# KiCad board LightRail_LPO_1.6T.kicad_pcb (continued)
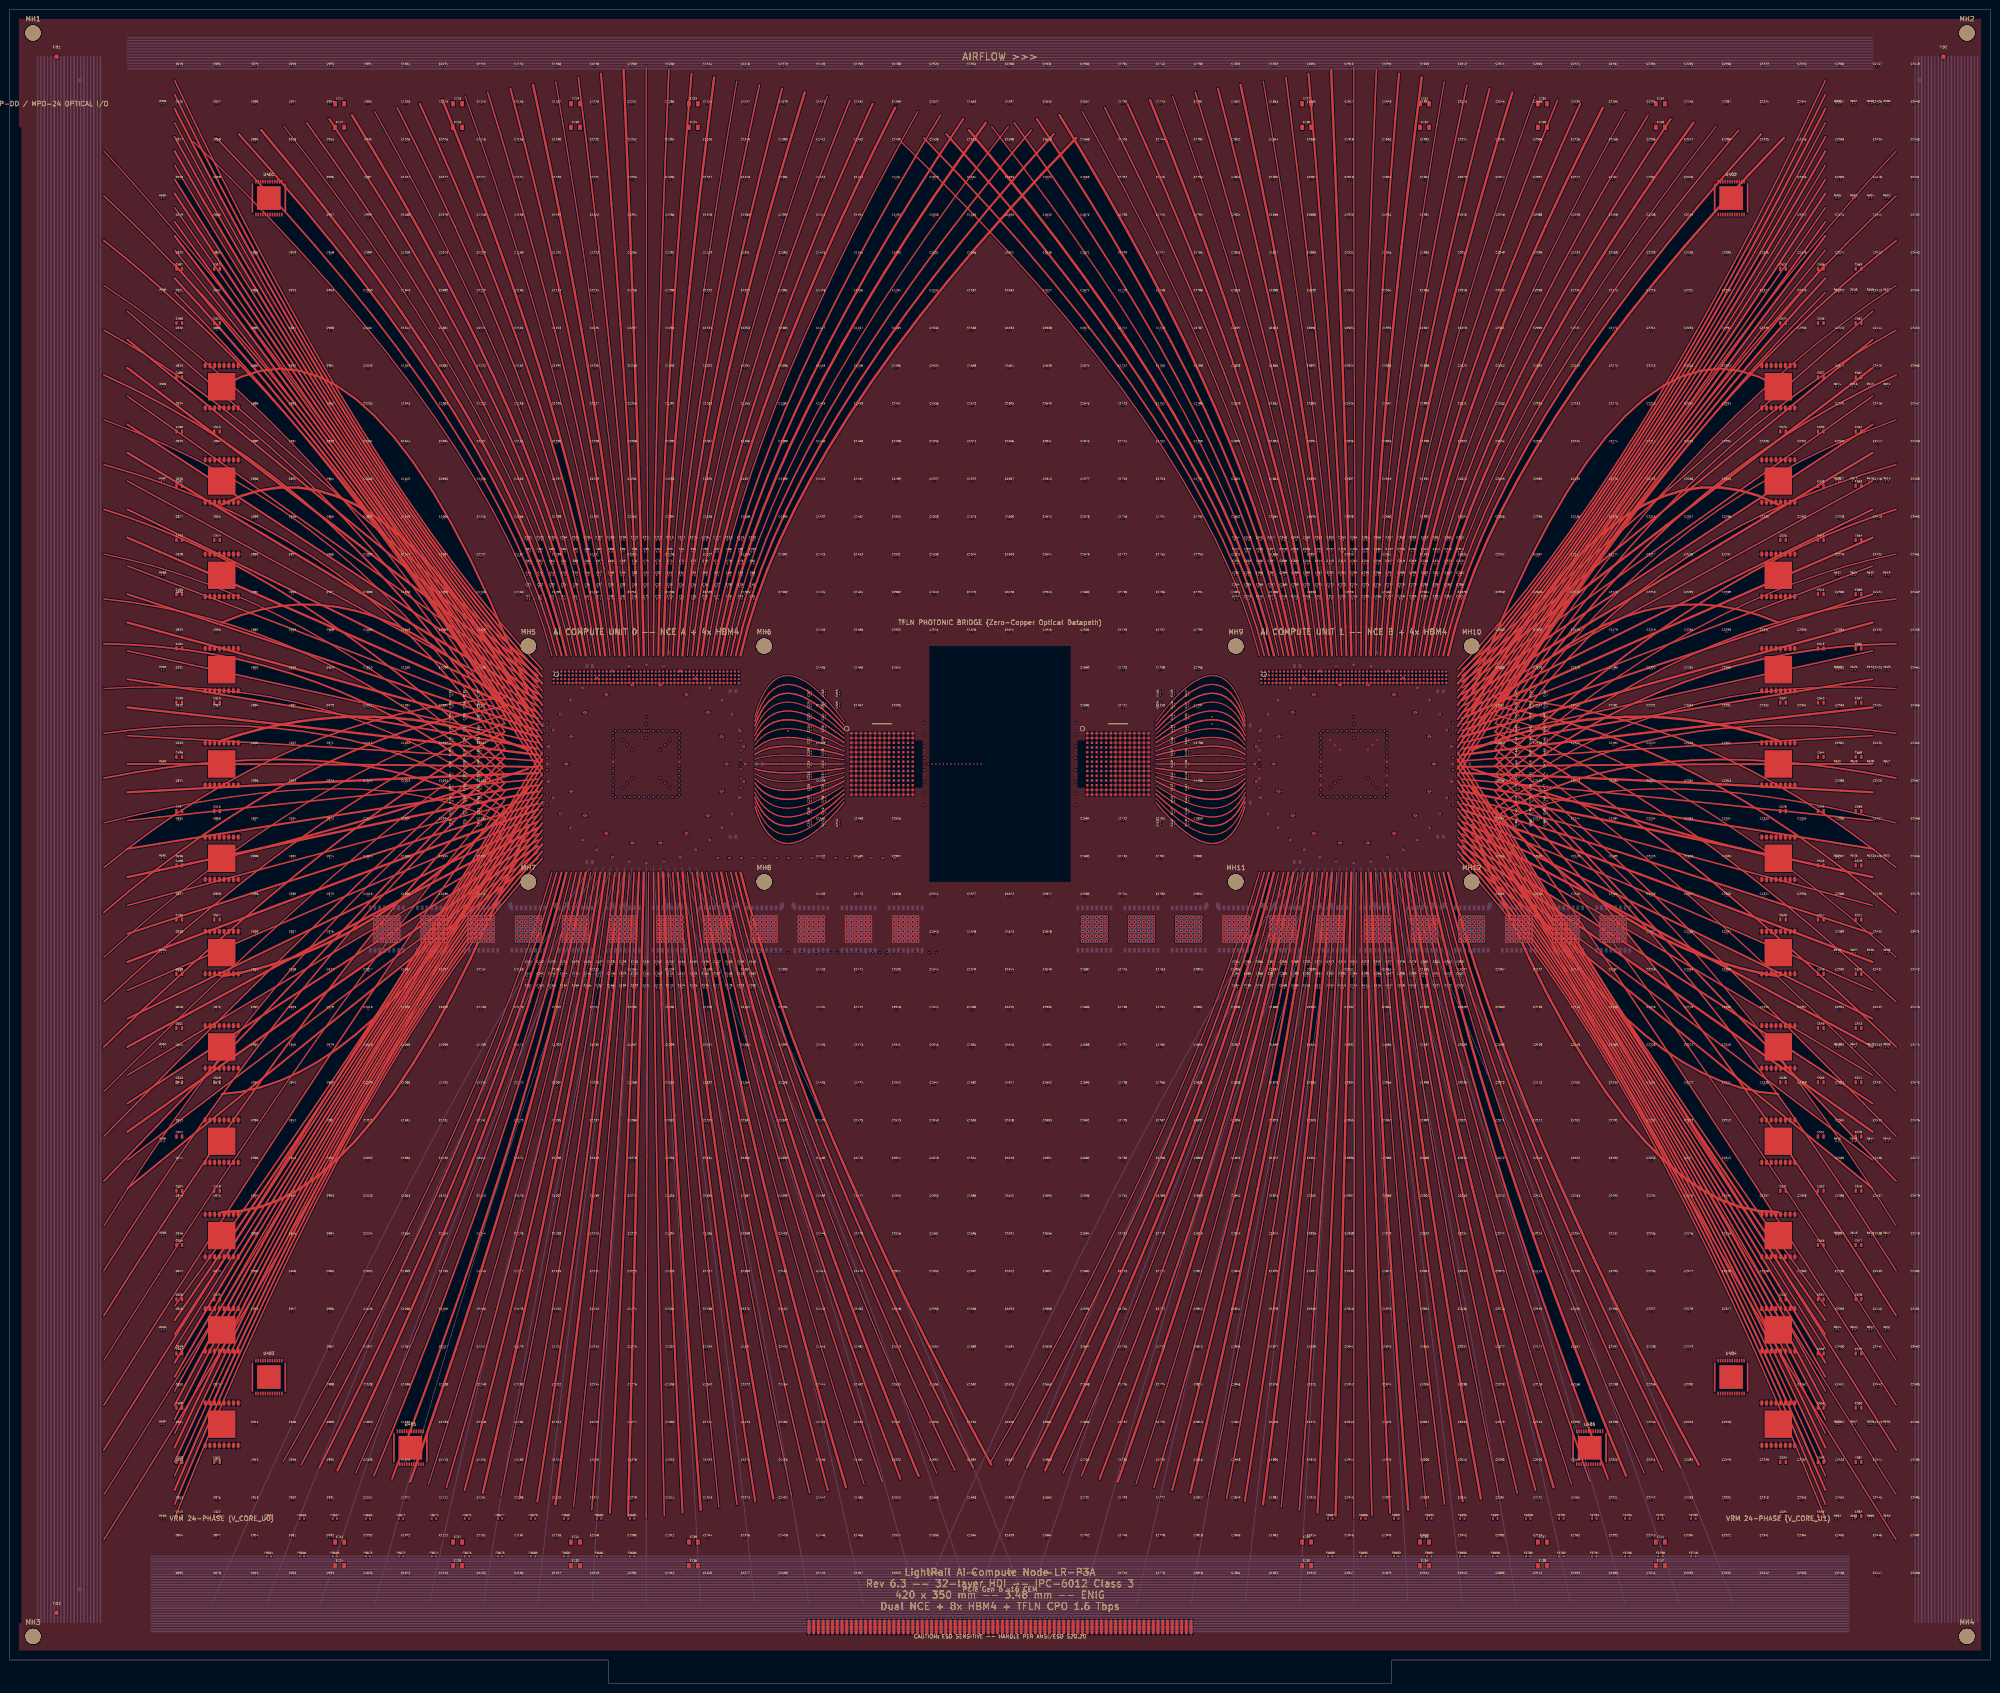
[diagram p0: board, top side]
## Nets (continued)

## Via types
v1: diameter 0.4, hole 0.2, Top to Bottom, 112 vias
v2: diameter 0.35, hole 0.15, Top to Bottom, 216 vias
v3: diameter 0.3, hole 0.15, Top to Bottom, 80 vias
v4: diameter 0.8, hole 0.4, Top to Bottom, 864 vias
v5: diameter 0.6, hole 0.3, Top to Bottom, 108 vias

## Routing (per net, layer and track width the routed paths; a pad name or vN(x,y) marks a point on that pad's centre or on a via; arc(x,y) is an arc through that point)
+12V: length 60
  In11.Cu w2: 15,25 45,25 ; 405,25 375,25
GND: length 4647.7
  In3.Cu w0.09: 244,198 v2(265,198) ; 244,197.82 v2(265,197.82) ; 244,191.82 v2(265,191.82) ; 244,192 v2(265,192)
  In3.Cu w0.1: 146.6,198 146.6,195.5 v2(142,195.5) ; 123.4,198 123.4,195.5 v2(128,195.5) ; v2(292,195.5) 296.6,195.5 296.6,198 ; 273.4,198 273.4,195.5 v2(278,195.5)
  In4.Cu w0.1: v2(278,192.5) 274.2,192.5 274.2,189 ; 272.6,183 272.6,190.5 v2(278,190.5) ; v2(292,190.5) 297.4,190.5 297.4,183 ; 295.8,189 295.8,192.5 v2(292,192.5)
  In5.Cu w0.1: v2(290,200) 294,204 ; v2(280,200) 276,204
  In6.Cu w0.1: v2(289,199) 295,205 ; v2(281,199) 275,205
  In7.Cu w0.1: 194,202.9 114,202.9 ; 194,186.75 114,186.75 ; 194,195.4 114,195.4 ; v2(282,198) 274,206 ; 194,196.75 114,196.75 ; 194,194.25 114,194.25 ; 194,200.4 114,200.4 ; 194,187.9 114,187.9 ; 194,185.4 114,185.4 ; 194,189.25 114,189.25 ; 194,199.25 114,199.25 ; v2(288,198) 296,206 ; 194,201.75 114,201.75 ; 194,191.75 114,191.75 ; 194,204.25 114,204.25 ; 194,192.9 114,192.9 ; 194,197.9 114,197.9 ; 194,190.4 114,190.4
  In24.Cu w0.1: 226,195.4 306,195.4 ; 226,191.75 306,191.75 ; 226,199.25 306,199.25 ; 226,192.9 306,192.9 ; 226,194.25 306,194.25 ; 226,187.9 306,187.9 ; 226,185.4 306,185.4 ; 226,189.25 306,189.25 ; 226,186.75 306,186.75 ; 226,202.9 306,202.9 ; 226,201.75 306,201.75 ; 226,196.75 306,196.75 ; 226,190.4 306,190.4 ; 226,200.4 306,200.4 ; 226,204.25 306,204.25 ; 226,197.9 306,197.9
  In28.Cu w0.09: 244,198 v2(265,198) ; 244,191.82 v2(265,191.82) ; 244,197.82 v2(265,197.82) ; 244,192 v2(265,192)
  Bottom w0.25: 30,12.15 390,12.15
  Bottom w0.3: 30,13.25 390,13.25 ; 30,11.6 390,11.6
  Bottom w0.35: 30,11.05 390,11.05 ; 30,12.7 390,12.7
  vias: v3(166.5,155) v3(169.5,155) v3(181.5,155) v3(190.5,155) v3(193.5,155) v4(77.5,162.5) v4(77.5,161.5) v4(77.5,160.5) v4(77.5,159.5) v4(77.5,158.5) v4(77.5,157.5) v4(78.5,162.5) v4(78.5,161.5) v4(78.5,160.5) v4(78.5,159.5) v4(78.5,158.5) v4(78.5,157.5) v4(79.5,162.5) v4(79.5,161.5) v4(79.5,160.5) v4(79.5,159.5) v4(79.5,158.5) v4(79.5,157.5) v4(80.5,162.5) v4(80.5,161.5) v4(80.5,160.5) v4(80.5,159.5) v4(80.5,158.5) v4(80.5,157.5) v4(81.5,162.5) v4(81.5,161.5) v4(81.5,160.5) v4(81.5,159.5) v4(81.5,158.5) v4(81.5,157.5) v4(82.5,162.5) v4(82.5,161.5) v4(82.5,160.5) v4(82.5,159.5) v4(82.5,158.5) v4(82.5,157.5) v4(87.5,162.5) v4(87.5,161.5) v4(87.5,160.5) v4(87.5,159.5) v4(87.5,158.5) v4(87.5,157.5) v4(88.5,162.5) v4(88.5,161.5) v4(88.5,160.5) v4(88.5,159.5) v4(88.5,158.5) v4(88.5,157.5) v4(89.5,162.5) v4(89.5,161.5) v4(89.5,160.5) v4(89.5,159.5) v4(89.5,158.5) v4(89.5,157.5) v4(90.5,162.5) v4(90.5,161.5) v4(90.5,160.5) v4(90.5,159.5) v4(90.5,158.5) v4(90.5,157.5) v4(91.5,162.5) v4(91.5,161.5) v4(91.5,160.5) v4(91.5,159.5) v4(91.5,158.5) v4(91.5,157.5) v4(92.5,162.5) v4(92.5,161.5) v4(92.5,160.5) v4(92.5,159.5) v4(92.5,158.5) v4(92.5,157.5) v4(97.5,162.5) v4(97.5,161.5) v4(97.5,160.5) v4(97.5,159.5) v4(97.5,158.5) v4(97.5,157.5) v4(98.5,162.5) v4(98.5,161.5) v4(98.5,160.5) v4(98.5,159.5) v4(98.5,158.5) v4(98.5,157.5) v4(99.5,162.5) v4(99.5,161.5) v4(99.5,160.5) v4(99.5,159.5) v4(99.5,158.5) v4(99.5,157.5) v4(100.5,162.5) v4(100.5,161.5) v4(100.5,160.5) v4(100.5,159.5) v4(100.5,158.5) v4(100.5,157.5) v4(101.5,162.5) v4(101.5,161.5) v4(101.5,160.5) v4(101.5,159.5) v4(101.5,158.5) v4(101.5,157.5) v4(102.5,162.5) v4(102.5,161.5) v4(102.5,160.5) v4(102.5,159.5) v4(102.5,158.5) v4(102.5,157.5) v4(117.5,162.5) v4(117.5,161.5) v4(117.5,160.5) v4(117.5,159.5) v4(117.5,158.5) v4(117.5,157.5) v4(118.5,162.5) v4(118.5,161.5) v4(118.5,160.5) v4(118.5,159.5) v4(118.5,158.5) v4(118.5,157.5) v4(119.5,162.5) v4(119.5,161.5) v4(119.5,160.5) v4(119.5,159.5) v4(119.5,158.5) v4(119.5,157.5) v4(120.5,162.5) v4(120.5,161.5) v4(120.5,160.5) v4(120.5,159.5) v4(120.5,158.5) v4(120.5,157.5) v4(121.5,162.5) v4(121.5,161.5) v4(121.5,160.5) v4(121.5,159.5) v4(121.5,158.5) v4(121.5,157.5) v4(122.5,162.5) v4(122.5,161.5) v4(122.5,160.5) v4(122.5,159.5) v4(122.5,158.5) v4(122.5,157.5) v4(127.5,162.5) v4(127.5,161.5) v4(127.5,160.5) v4(127.5,159.5) v4(127.5,158.5) v4(127.5,157.5) v4(128.5,162.5) v4(128.5,161.5) v4(128.5,160.5) v4(128.5,159.5) v4(128.5,158.5) v4(128.5,157.5) v4(129.5,162.5) v4(129.5,161.5) v4(129.5,160.5) v4(129.5,159.5) v4(129.5,158.5) v4(129.5,157.5) v4(130.5,162.5) v4(130.5,161.5) v4(130.5,160.5) v4(130.5,159.5) v4(130.5,158.5) v4(130.5,157.5) v4(131.5,162.5) v4(131.5,161.5) v4(131.5,160.5) v4(131.5,159.5) v4(131.5,158.5) v4(131.5,157.5) v4(132.5,162.5) v4(132.5,161.5) v4(132.5,160.5) v4(132.5,159.5) v4(132.5,158.5) v4(132.5,157.5) v4(137.5,162.5) v4(137.5,161.5) v4(137.5,160.5) v4(137.5,159.5) v4(137.5,158.5) v4(137.5,157.5) v4(138.5,162.5) v4(138.5,161.5) v4(138.5,160.5) v4(138.5,159.5) v4(138.5,158.5) v4(138.5,157.5) v4(139.5,162.5) v4(139.5,161.5) v4(139.5,160.5) v4(139.5,159.5) v4(139.5,158.5) v4(139.5,157.5) v4(140.5,162.5) v4(140.5,161.5) v4(140.5,160.5) v4(140.5,159.5) v4(140.5,158.5) v4(140.5,157.5) v4(141.5,162.5) v4(141.5,161.5) v4(141.5,160.5) v4(141.5,159.5) v4(141.5,158.5) v4(141.5,157.5) v4(142.5,162.5) v4(142.5,161.5) v4(142.5,160.5) v4(142.5,159.5) v4(142.5,158.5) v4(142.5,157.5) v4(147.5,162.5) v4(147.5,161.5) v4(147.5,160.5) v4(147.5,159.5) v4(147.5,158.5) v4(147.5,157.5) v4(148.5,162.5) v4(148.5,161.5) v4(148.5,160.5) v4(148.5,159.5) v4(148.5,158.5) v4(148.5,157.5) v4(149.5,162.5) v4(149.5,161.5) v4(149.5,160.5) v4(149.5,159.5) v4(149.5,158.5) v4(149.5,157.5) v4(150.5,162.5) v4(150.5,161.5) v4(150.5,160.5) v4(150.5,159.5) v4(150.5,158.5) v4(150.5,157.5) v4(151.5,162.5) v4(151.5,161.5) v4(151.5,160.5) v4(151.5,159.5) v4(151.5,158.5) v4(151.5,157.5) v4(152.5,162.5) v4(152.5,161.5) v4(152.5,160.5) v4(152.5,159.5) v4(152.5,158.5) v4(152.5,157.5) v4(157.5,162.5) v4(157.5,161.5) v4(157.5,160.5) v4(157.5,159.5) v4(157.5,158.5) v4(157.5,157.5) v4(158.5,162.5) v4(158.5,161.5) v4(158.5,160.5) v4(158.5,159.5) v4(158.5,158.5) v4(158.5,157.5) v4(159.5,162.5) v4(159.5,161.5) v4(159.5,160.5) v4(159.5,159.5) v4(159.5,158.5) v4(159.5,157.5) v4(160.5,162.5) v4(160.5,161.5) v4(160.5,160.5) v4(160.5,159.5) v4(160.5,158.5) v4(160.5,157.5) v4(161.5,162.5) v4(161.5,161.5) v4(161.5,160.5) v4(161.5,159.5) v4(161.5,158.5) v4(161.5,157.5) v4(162.5,162.5) v4(162.5,161.5) v4(162.5,160.5) v4(162.5,159.5) v4(162.5,158.5) v4(162.5,157.5) v4(167.5,162.5) v4(167.5,161.5) v4(167.5,160.5) v4(167.5,159.5) v4(167.5,158.5) v4(167.5,157.5) v4(168.5,162.5) v4(168.5,161.5) v4(168.5,160.5) v4(168.5,159.5) v4(168.5,158.5) v4(168.5,157.5) v4(169.5,162.5) v4(169.5,161.5) v4(169.5,160.5) v4(169.5,159.5) v4(169.5,158.5) v4(169.5,157.5) v4(170.5,162.5) v4(170.5,161.5) v4(170.5,160.5) v4(170.5,159.5) v4(170.5,158.5) v4(170.5,157.5) v4(171.5,162.5) v4(171.5,161.5) v4(171.5,160.5) v4(171.5,159.5) v4(171.5,158.5) v4(171.5,157.5) v4(172.5,162.5) v4(172.5,161.5) v4(172.5,160.5) v4(172.5,159.5) v4(172.5,158.5) v4(172.5,157.5) v4(177.5,162.5) v4(177.5,161.5) v4(177.5,160.5) v4(177.5,159.5) v4(177.5,158.5) v4(177.5,157.5) v4(178.5,162.5) v4(178.5,161.5) v4(178.5,160.5) v4(178.5,159.5) v4(178.5,158.5) v4(178.5,157.5) v4(179.5,162.5) v4(179.5,161.5) v4(179.5,160.5) v4(179.5,159.5) v4(179.5,158.5) v4(179.5,157.5) v4(180.5,162.5) v4(180.5,161.5) v4(180.5,160.5) v4(180.5,159.5) v4(180.5,158.5) v4(180.5,157.5) v4(181.5,162.5) v4(181.5,161.5) v4(181.5,160.5) v4(181.5,159.5) v4(181.5,158.5) v4(181.5,157.5) v4(182.5,162.5) v4(182.5,161.5) v4(182.5,160.5) v4(182.5,159.5) v4(182.5,158.5) v4(182.5,157.5) v4(187.5,162.5) v4(187.5,161.5) v4(187.5,160.5) v4(187.5,159.5) v4(187.5,158.5) v4(187.5,157.5) v4(188.5,162.5) v4(188.5,161.5) v4(188.5,160.5) v4(188.5,159.5) v4(188.5,158.5) v4(188.5,157.5) v4(189.5,162.5) v4(189.5,161.5) v4(189.5,160.5) v4(189.5,159.5) v4(189.5,158.5) v4(189.5,157.5) v4(190.5,162.5) v4(190.5,161.5) v4(190.5,160.5) v4(190.5,159.5) v4(190.5,158.5) v4(190.5,157.5) v4(191.5,162.5) v4(191.5,161.5) v4(191.5,160.5) v4(191.5,159.5) v4(191.5,158.5) v4(191.5,157.5) v4(192.5,162.5) v4(192.5,161.5) v4(192.5,160.5) v4(192.5,159.5) v4(192.5,158.5) v4(192.5,157.5) v4(257.5,162.5) v4(257.5,161.5) v4(257.5,160.5) v4(257.5,159.5) v4(257.5,158.5) v4(257.5,157.5) v4(258.5,162.5) v4(258.5,161.5) v4(258.5,160.5) v4(258.5,159.5) v4(258.5,158.5) v4(258.5,157.5) v4(259.5,162.5) v4(259.5,161.5) v4(259.5,160.5) v4(259.5,159.5) v4(259.5,158.5) v4(259.5,157.5) v4(260.5,162.5) v4(260.5,161.5) v4(260.5,160.5) v4(260.5,159.5) v4(260.5,158.5) v4(260.5,157.5) v4(261.5,162.5) v4(261.5,161.5) v4(261.5,160.5) v4(261.5,159.5) v4(261.5,158.5) v4(261.5,157.5) v4(262.5,162.5) v4(262.5,161.5) v4(262.5,160.5) v4(262.5,159.5) v4(262.5,158.5) v4(262.5,157.5) v4(267.5,162.5) v4(267.5,161.5) v4(267.5,160.5) v4(267.5,159.5) v4(267.5,158.5) v4(267.5,157.5) v4(268.5,162.5) v4(268.5,161.5) v4(268.5,160.5) v4(268.5,159.5) v4(268.5,158.5) v4(268.5,157.5) v4(269.5,162.5) v4(269.5,161.5) v4(269.5,160.5) v4(269.5,159.5) v4(269.5,158.5) v4(269.5,157.5) v4(270.5,162.5) v4(270.5,161.5) v4(270.5,160.5) v4(270.5,159.5) v4(270.5,158.5) v4(270.5,157.5) v4(271.5,162.5) v4(271.5,161.5) v4(271.5,160.5) v4(271.5,159.5) v4(271.5,158.5) v4(271.5,157.5) v4(272.5,162.5) v4(272.5,161.5) v4(272.5,160.5) v4(272.5,159.5) v4(272.5,158.5) v4(272.5,157.5) v4(277.5,162.5) v4(277.5,161.5) v4(277.5,160.5) v4(277.5,159.5) v4(277.5,158.5) v4(277.5,157.5) v4(278.5,162.5) v4(278.5,161.5) v4(278.5,160.5) v4(278.5,159.5) v4(278.5,158.5) v4(278.5,157.5) v4(279.5,162.5) v4(279.5,161.5) v4(279.5,160.5) v4(279.5,159.5) v4(279.5,158.5) v4(279.5,157.5) v4(280.5,162.5) v4(280.5,161.5) v4(280.5,160.5) v4(280.5,159.5) v4(280.5,158.5) v4(280.5,157.5) v4(281.5,162.5) v4(281.5,161.5) v4(281.5,160.5) v4(281.5,159.5) v4(281.5,158.5) v4(281.5,157.5) v4(282.5,162.5) v4(282.5,161.5) v4(282.5,160.5) v4(282.5,159.5) v4(282.5,158.5) v4(282.5,157.5) v4(287.5,162.5) v4(287.5,161.5) v4(287.5,160.5) v4(287.5,159.5) v4(287.5,158.5) v4(287.5,157.5) v4(288.5,162.5) v4(288.5,161.5) v4(288.5,160.5) v4(288.5,159.5) v4(288.5,158.5) v4(288.5,157.5) v4(289.5,162.5) v4(289.5,161.5) v4(289.5,160.5) v4(289.5,159.5) v4(289.5,158.5) v4(289.5,157.5) v4(290.5,162.5) v4(290.5,161.5) v4(290.5,160.5) v4(290.5,159.5) v4(290.5,158.5) v4(290.5,157.5) v4(291.5,162.5) v4(291.5,161.5) v4(291.5,160.5) v4(291.5,159.5) v4(291.5,158.5) v4(291.5,157.5) v4(292.5,162.5) v4(292.5,161.5) v4(292.5,160.5) v4(292.5,159.5) v4(292.5,158.5) v4(292.5,157.5) v4(297.5,162.5) v4(297.5,161.5) v4(297.5,160.5) v4(297.5,159.5) v4(297.5,158.5) v4(297.5,157.5) v4(298.5,162.5) v4(298.5,161.5) v4(298.5,160.5) v4(298.5,159.5) v4(298.5,158.5) v4(298.5,157.5) v4(299.5,162.5) v4(299.5,161.5) v4(299.5,160.5) v4(299.5,159.5) v4(299.5,158.5) v4(299.5,157.5) v4(300.5,162.5) v4(300.5,161.5) v4(300.5,160.5) v4(300.5,159.5) v4(300.5,158.5) v4(300.5,157.5) v4(301.5,162.5) v4(301.5,161.5) v4(301.5,160.5) v4(301.5,159.5) v4(301.5,158.5) v4(301.5,157.5) v4(302.5,162.5) v4(302.5,161.5) v4(302.5,160.5) v4(302.5,159.5) v4(302.5,158.5) v4(302.5,157.5) v4(317.5,162.5) v4(317.5,161.5) v4(317.5,160.5) v4(317.5,159.5) v4(317.5,158.5) v4(317.5,157.5) v4(318.5,162.5) v4(318.5,161.5) v4(318.5,160.5) v4(318.5,159.5) v4(318.5,158.5) v4(318.5,157.5) v4(319.5,162.5) v4(319.5,161.5) v4(319.5,160.5) v4(319.5,159.5) v4(319.5,158.5) v4(319.5,157.5) v4(320.5,162.5) v4(320.5,161.5) v4(320.5,160.5) v4(320.5,159.5) v4(320.5,158.5) v4(320.5,157.5) v4(321.5,162.5) v4(321.5,161.5) v4(321.5,160.5) v4(321.5,159.5) v4(321.5,158.5) v4(321.5,157.5) v4(322.5,162.5) v4(322.5,161.5) v4(322.5,160.5) v4(322.5,159.5) v4(322.5,158.5) v4(322.5,157.5) v4(327.5,162.5) v4(327.5,161.5) v4(327.5,160.5) v4(327.5,159.5) v4(327.5,158.5) v4(327.5,157.5) v4(328.5,162.5) v4(328.5,161.5) v4(328.5,160.5) v4(328.5,159.5) v4(328.5,158.5) v4(328.5,157.5) v4(329.5,162.5) v4(329.5,161.5) v4(329.5,160.5) v4(329.5,159.5) v4(329.5,158.5) v4(329.5,157.5) v4(330.5,162.5) v4(330.5,161.5) v4(330.5,160.5) v4(330.5,159.5) v4(330.5,158.5) v4(330.5,157.5) v4(331.5,162.5) v4(331.5,161.5) v4(331.5,160.5) v4(331.5,159.5) v4(331.5,158.5) v4(331.5,157.5) v4(332.5,162.5) v4(332.5,161.5) v4(332.5,160.5) v4(332.5,159.5) v4(332.5,158.5) v4(332.5,157.5) v4(337.5,162.5) v4(337.5,161.5) v4(337.5,160.5) v4(337.5,159.5) v4(337.5,158.5) v4(337.5,157.5) v4(338.5,162.5) v4(338.5,161.5) v4(338.5,160.5) v4(338.5,159.5) v4(338.5,158.5) v4(338.5,157.5) v4(339.5,162.5) v4(339.5,161.5) v4(339.5,160.5) v4(339.5,159.5) v4(339.5,158.5) v4(339.5,157.5) v4(340.5,162.5) v4(340.5,161.5) v4(340.5,160.5) v4(340.5,159.5) v4(340.5,158.5) v4(340.5,157.5) v4(341.5,162.5) v4(341.5,161.5) v4(341.5,160.5) v4(341.5,159.5) v4(341.5,158.5) v4(341.5,157.5) v4(342.5,162.5) v4(342.5,161.5) v4(342.5,160.5) v4(342.5,159.5) v4(342.5,158.5) v4(342.5,157.5) v5(114,195) v5(114.32,198.65) v5(114.32,191.35) v5(115.27,202.18) v5(115.27,187.82) v5(116.81,205.5) v5(116.81,184.5) v5(118,195) v5(118.91,208.5) v5(118.91,181.5) v5(119.03,200.81) v5(119.03,189.19) v5(121.5,211.09) v5(121.5,178.91) v5(121.98,205.93) v5(121.98,184.07) v5(124.5,213.19) v5(124.5,176.81) v5(126.5,209.72) v5(126.5,180.28) v5(127.82,214.73) v5(127.82,175.27) v5(131.35,215.68) v5(131.35,174.32) v5(132.05,211.74) v5(132.05,178.26) v5(135,216) v5(135,174) v5(137.95,211.74) v5(137.95,178.26) v5(138.65,215.68) v5(138.65,174.32) v5(142.18,214.73) v5(142.18,175.27) v5(143.5,209.72) v5(143.5,180.28) v5(145.5,213.19) v5(145.5,176.81) v5(148.02,205.93) v5(148.02,184.07) v5(148.5,211.09) v5(148.5,178.91) v5(150.97,200.81) v5(150.97,189.19) v5(151.09,208.5) v5(151.09,181.5) v5(152,195) v5(153.19,205.5) v5(153.19,184.5) v5(154.73,202.18) v5(154.73,187.82) v5(155.68,198.65) v5(155.68,191.35) v5(156,195) v5(264,195) v5(264.32,198.65) v5(264.32,191.35) v5(265.27,202.18) v5(265.27,187.82) v5(266.81,205.5) v5(266.81,184.5) v5(268,195) v5(268.91,208.5) v5(268.91,181.5) v5(269.03,200.81) v5(269.03,189.19) v5(271.5,211.09) v5(271.5,178.91) v5(271.98,205.93) v5(271.98,184.07) v5(274.5,213.19) v5(274.5,176.81) v5(276.5,209.72) v5(276.5,180.28) v5(277.82,214.73) v5(277.82,175.27) v5(281.35,215.68) v5(281.35,174.32) v5(282.05,211.74) v5(282.05,178.26) v5(285,216) v5(285,174) v5(287.95,211.74) v5(287.95,178.26) v5(288.65,215.68) v5(288.65,174.32) v5(292.18,214.73) v5(292.18,175.27) v5(293.5,209.72) v5(293.5,180.28) v5(295.5,213.19) v5(295.5,176.81) v5(298.02,205.93) v5(298.02,184.07) v5(298.5,211.09) v5(298.5,178.91) v5(300.97,200.81) v5(300.97,189.19) v5(301.09,208.5) v5(301.09,181.5) v5(302,195) v5(303.19,205.5) v5(303.19,184.5) v5(304.73,202.18) v5(304.73,187.82) v5(305.68,198.65) v5(305.68,191.35) v5(306,195)
